# Altium PCB HTBBMSALL4G.PcbDoc (part 4 of 4)
Units mm, origin at the board's own origin, x right, y up, seen from the top; angles counter-clockwise.
Board outline 80.2 x 36.15 mm, 4 copper layers (Top Layer, SIG02, SIG03, Bottom Layer), stack 0.603 mm thick; 186 components, 121 nets, 547 pads, 871 vias.
Unrouted connection lines stored in the file: 10.
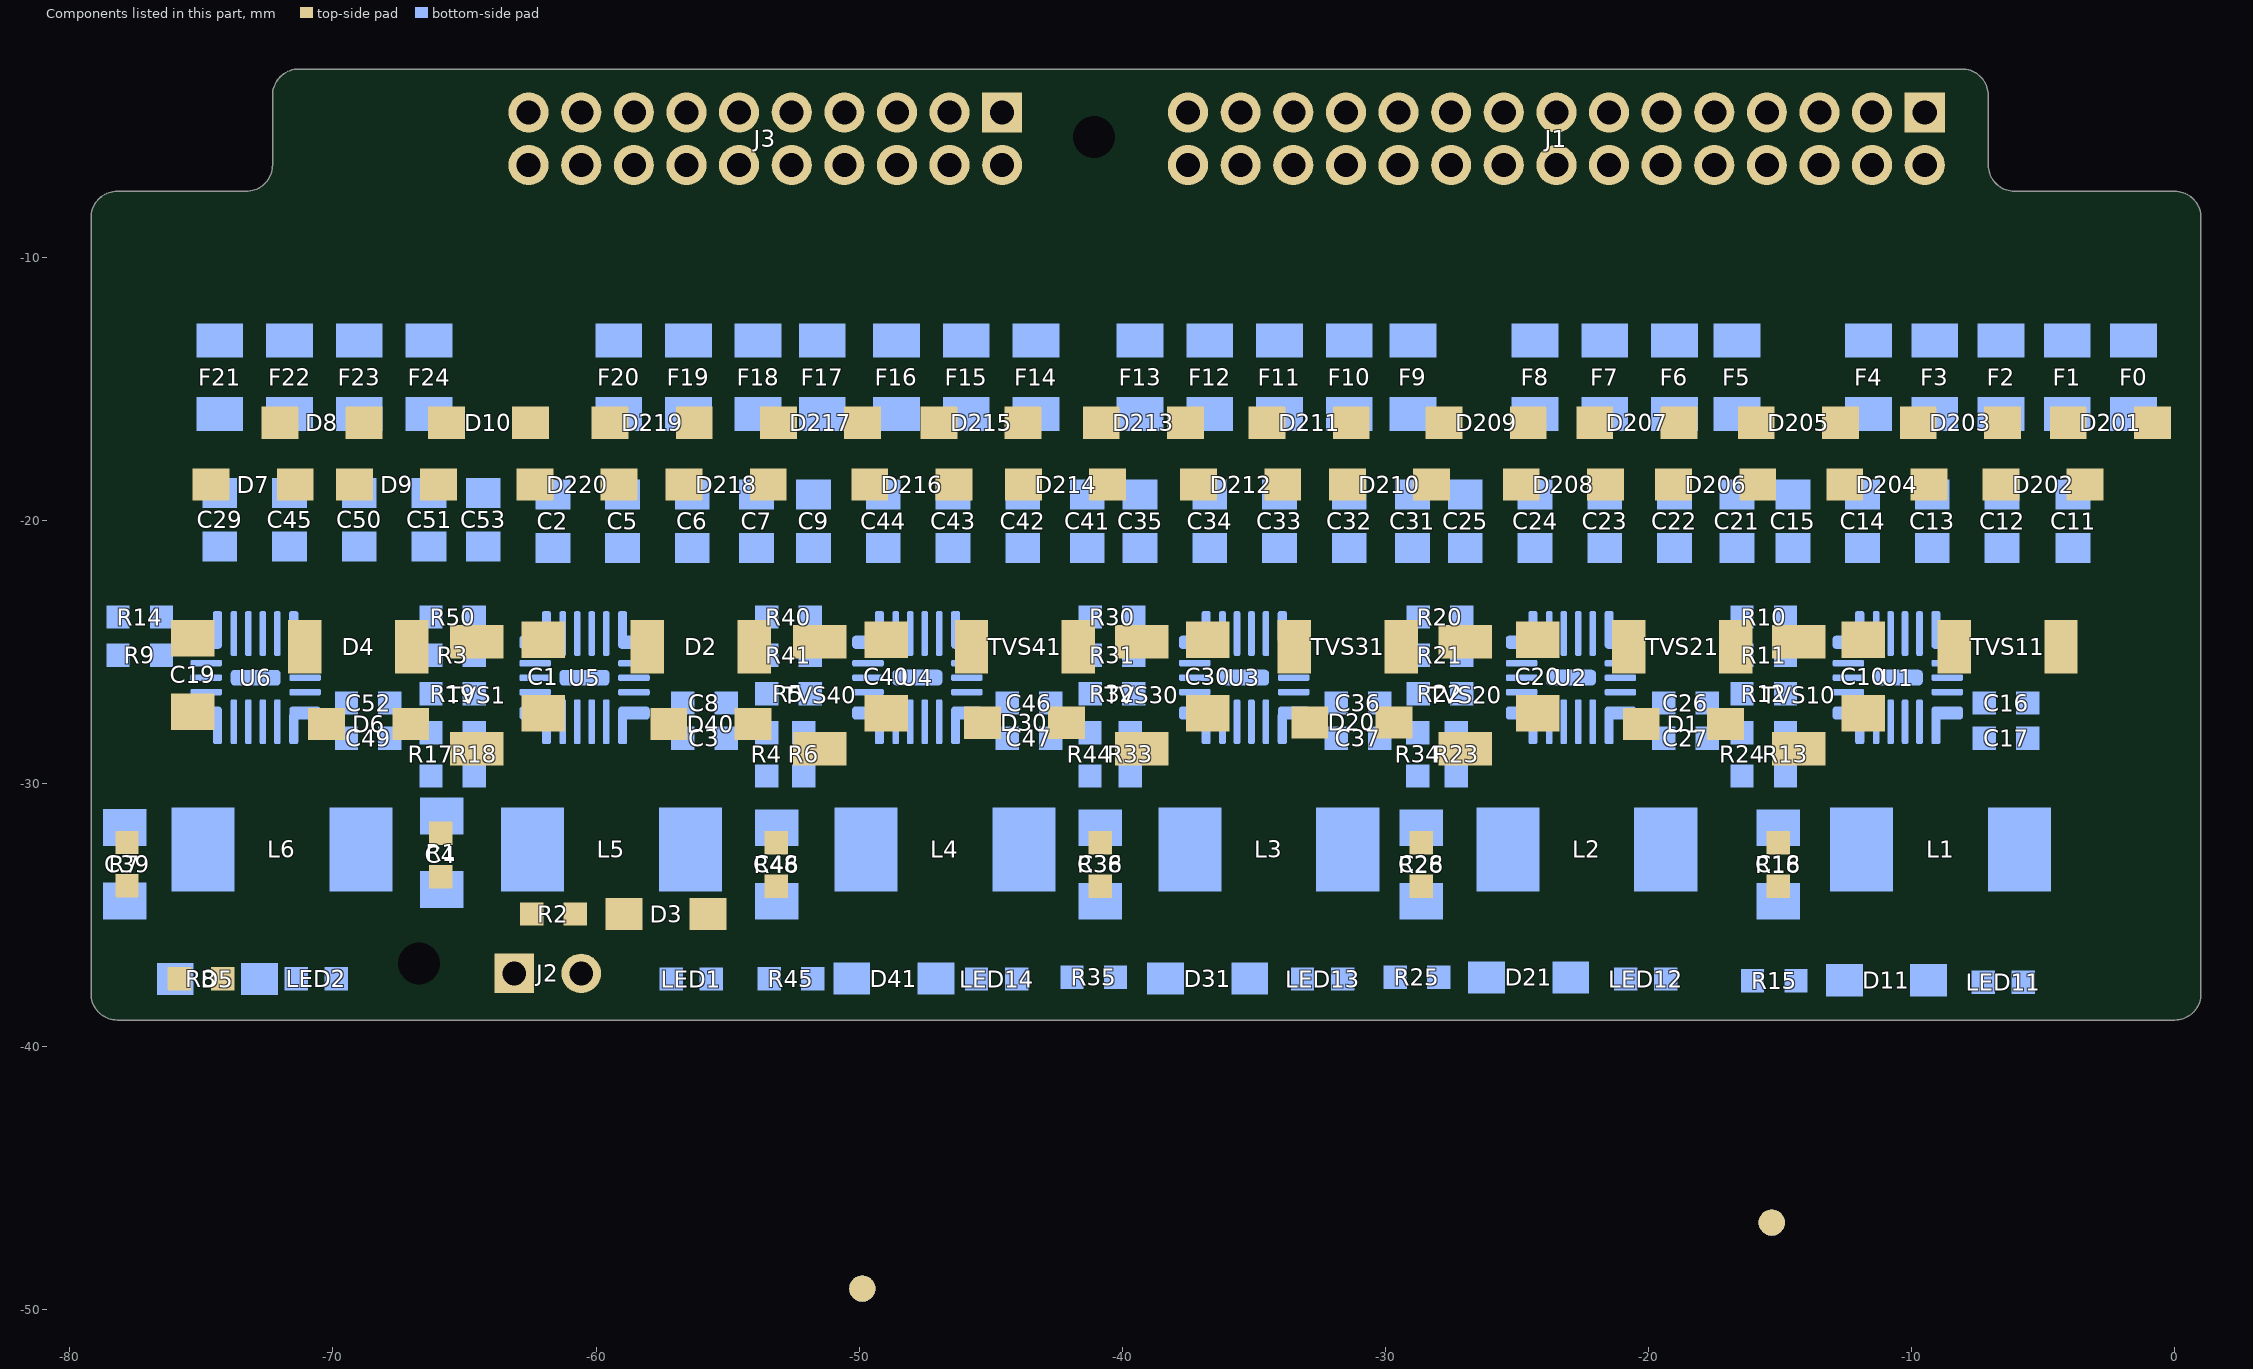
[diagram p6: the components of this part, seen from the top]

## Polygon pours and split planes (outlines as drawn) (continued)
N4 on Top Layer "NONET_L-01_P-001" (solid, remove dead copper, pour order 502): -14.144,-20.444 -13.301,-21.287 -13.301,-21.944 -12.775,-22.47 -11.633,-22.47 -11.217,-22.885 -11.217,-25.167 -11.445,-25.167 -11.535,-25.077 -11.535,-23.489 -11.853,-23.171 -14.325,-23.171 -15.148,-22.348 -15.148,-20.601 -14.991,-20.444
N3 on Top Layer "NONET_L-01_P-001" (solid, remove dead copper, pour order 501): -11.197,-20.444 -10.6,-21.041 -10.6,-25.078 -10.69,-25.167 -10.919,-25.167 -10.989,-25.097 -10.989,-22.875 -11.615,-22.248 -12.448,-22.248 -12.681,-22.015 -12.681,-20.762 -12.363,-20.444
N1 on Top Layer "NONET_L-01_P-001" (solid, remove dead copper, pour order 503): -6.621,-20.162 -8.073,-21.614 -8.073,-22.05 -8.492,-22.47 -9.414,-22.47 -9.83,-22.885 -9.83,-25.167 -9.602,-25.167 -9.512,-25.077 -9.512,-23.489 -9.194,-23.171 -7.172,-23.171 -5.465,-21.465 -5.465,-20.325 -5.628,-20.162
N2 on Top Layer "NONET_L-01_P-001" (solid, remove dead copper, pour order 500): -7.296,-18.282 -7.572,-18.559 -7.572,-19.059 -8.574,-20.06 -9.466,-20.06 -9.848,-20.441 -9.848,-21.922 -9.447,-21.521 -8.366,-21.521 -8.366,-21.354 -6.818,-19.806 -6.173,-19.806 -5.799,-19.432 -5.799,-18.432 -5.948,-18.282
N3 on Top Layer "NONET_L-01_P-001" (solid, remove dead copper, pour order 498): -9.946,-18.259 -10.222,-18.536 -10.222,-19.04 -11.22,-20.037 -12.116,-20.037 -12.681,-20.602 -12.681,-22.082 -12.097,-21.498 -10.651,-21.498 -10.651,-20.879 -9.555,-19.783 -8.823,-19.783 -8.449,-19.409 -8.449,-18.409 -8.598,-18.259
N2 on Top Layer "NONET_L-01_P-001" (solid, remove dead copper, pour order 497): -9.85,-20.444 -10.447,-21.041 -10.447,-25.078 -10.358,-25.167 -10.129,-25.167 -10.058,-25.097 -10.058,-22.875 -9.432,-22.248 -8.599,-22.248 -8.366,-22.015 -8.366,-20.762 -8.684,-20.444
N20 on SIG02 "NONET_L-01_P-001" (solid, remove dead copper, pour order 1010): 22 vertices, not listed, extent -78.909,-38.54 -60.748,-3.239
N12 on SIG02 "NONET_L-01_P-001" (solid, remove dead copper, pour order 1018): 23 vertices, not listed, extent -53.344,-38.54 -36.945,-3.239
GND on SIG02 "NONET_L-01_P-001" (solid, remove dead copper, pour order 1030): -14.04,-3.469 -8.412,-3.469 -7.709,-4.172 -7.709,-6.595 -6.493,-7.811 -0.575,-7.811 0.499,-8.885 0.499,-37.887 -0.403,-38.789 -14.89,-38.789 -16.324,-37.355 -16.324,-23.022 -14.286,-20.984 -14.286,-3.715
N4 on SIG02 "NONET_L-01_P-001" (solid, remove dead copper, pour order 1026): 20 vertices, not listed, extent -28.75,-38.54 -12.545,-3.469
N8 on SIG02 "NONET_L-01_P-001" (solid, remove dead copper, pour order 1022): 18 vertices, not listed, extent -41.439,-38.54 -25.004,-3.239
N16 on SIG02 "NONET_L-01_P-001" (solid, remove dead copper, pour order 1014): 24 vertices, not listed, extent -65.74,-38.54 -48.454,-3.239
Bt0 on SIG02 "NONET_L-01_P-001" (solid, remove dead copper, pour order 1006): 19 vertices, not listed, extent -10.333,-13.576 -0.539,-3.469
Bt1 on SIG02 "NONET_L-01_P-001" (solid, remove dead copper, pour order 1005): 18 vertices, not listed, extent -12.293,-13.701 -3.582,-3.639
Bt24 on SIG02 "NONET_L-01_P-001" (solid, remove dead copper, pour order 823): 17 vertices, not listed, extent -74.912,-13.746 -61.762,-3.469
Bt23 on SIG02 "NONET_L-01_P-001" (solid, remove dead copper, pour order 822): 17 vertices, not listed, extent -72.232,-13.746 -59.798,-3.469
Bt22 on SIG02 "NONET_L-01_P-001" (solid, remove dead copper, pour order 821): 18 vertices, not listed, extent -69.662,-13.746 -57.783,-3.469
Bt21 on SIG02 "NONET_L-01_P-001" (solid, remove dead copper, pour order 820): -57.018,-3.469 -57.339,-3.79 -57.339,-7.351 -62.481,-12.493 -66.892,-12.493 -67.128,-12.729 -67.128,-13.583 -66.965,-13.746 -61.913,-13.746 -55.79,-7.623 -55.79,-3.717 -56.038,-3.469
Bt20 on SIG02 "NONET_L-01_P-001" (solid, remove dead copper, pour order 819): -55.133,-3.469 -55.354,-3.69 -55.354,-7.698 -59.661,-12.005 -59.661,-13.42 -59.336,-13.746 -58.49,-13.746 -58.291,-13.547 -58.291,-12.243 -53.785,-7.738 -53.785,-3.65 -53.966,-3.469
Bt19 on SIG02 "NONET_L-01_P-001" (solid, remove dead copper, pour order 818): -53.181,-3.469 -53.344,-3.632 -53.344,-7.827 -56.979,-11.462 -56.979,-13.315 -56.548,-13.746 -55.962,-13.746 -55.715,-13.499 -55.715,-12.105 -51.773,-8.164 -51.773,-3.651 -51.956,-3.469
Bt18 on SIG02 "NONET_L-01_P-001" (solid, remove dead copper, pour order 817): -50.975,-3.469 -51.334,-3.828 -51.334,-8.212 -54.391,-11.269 -54.391,-13.548 -54.194,-13.746 -53.303,-13.746 -53.073,-13.516 -53.073,-11.718 -49.787,-8.433 -49.787,-3.791 -50.109,-3.469
Bt17 on SIG02 "NONET_L-01_P-001" (solid, remove dead copper, pour order 816): -49.063,-3.469 -49.358,-3.765 -49.358,-8.619 -52.029,-11.29 -52.029,-13.536 -51.82,-13.746 -50.911,-13.746 -50.66,-13.495 -50.66,-11.963 -47.783,-9.085 -47.783,-3.713 -48.027,-3.469
Bt16 on SIG02 "NONET_L-01_P-001" (solid, remove dead copper, pour order 815): -46.996,-3.469 -47.32,-3.793 -47.32,-9.177 -49.164,-11.021 -49.164,-13.512 -48.93,-13.746 -47.977,-13.746 -47.832,-13.601 -47.832,-11.778 -45.791,-9.736 -45.791,-3.751 -46.072,-3.469 -46.282,-3.469
Bt15 on SIG02 "NONET_L-01_P-001" (solid, remove dead copper, pour order 814): -45.058,-3.469 -45.386,-3.796 -45.386,-10.058 -46.451,-11.123 -46.451,-13.504 -46.209,-13.746 -45.373,-13.746 -45.108,-13.481 -45.108,-11.505 -43.757,-10.155 -43.757,-3.724 -44.012,-3.469
Bt14 on SIG02 "NONET_L-01_P-001" (solid, remove dead copper, pour order 813): -36.935,-3.469 -38.123,-3.469 -38.545,-3.891 -38.545,-7.229 -43.883,-12.567 -43.883,-13.632 -43.769,-13.746 -42.66,-13.746 -42.46,-13.546 -42.46,-12.889 -36.699,-7.128 -36.699,-3.705
Bt13 on SIG02 "NONET_L-01_P-001" (solid, remove dead copper, pour order 812): -36.142,-3.469 -36.269,-3.595 -36.269,-7.498 -39.861,-11.09 -39.861,-13.53 -39.645,-13.746 -38.85,-13.746 -38.563,-13.459 -38.563,-11.821 -34.692,-7.95 -34.692,-3.588 -34.81,-3.469 -35.064,-3.469
Bt12 on SIG02 "NONET_L-01_P-001" (solid, remove dead copper, pour order 811): -32.878,-3.469 -33.955,-3.469 -34.273,-3.787 -34.273,-7.959 -37.205,-10.891 -37.205,-13.543 -37.002,-13.746 -36.171,-13.746 -35.985,-13.56 -35.985,-11.552 -32.67,-8.238 -32.67,-3.677
Bt11 on SIG02 "NONET_L-01_P-001" (solid, remove dead copper, pour order 810): -31.996,-3.469 -32.254,-3.727 -32.254,-8.376 -34.586,-10.708 -34.586,-13.469 -34.309,-13.746 -33.506,-13.746 -33.29,-13.53 -33.29,-11.491 -30.628,-8.829 -30.628,-3.652 -30.812,-3.469 -31.089,-3.469
Bt10 on SIG02 "NONET_L-01_P-001" (solid, remove dead copper, pour order 809): -29.895,-3.469 -30.279,-3.853 -30.279,-9.242 -32.013,-10.975 -32.013,-13.37 -31.637,-13.746 -30.946,-13.746 -30.751,-13.552 -30.751,-11.536 -28.75,-9.535 -28.75,-3.673 -28.953,-3.469
Bt9 on SIG02 "NONET_L-01_P-001" (solid, remove dead copper, pour order 808): -26.988,-3.469 -27.95,-3.469 -28.291,-3.81 -28.291,-9.784 -29.545,-11.038 -29.545,-13.508 -29.307,-13.746 -28.335,-13.746 -28.244,-13.655 -28.244,-11.953 -26.71,-10.419 -26.71,-3.746
Bt8 on SIG02 "NONET_L-01_P-001" (solid, remove dead copper, pour order 807): -26.143,-3.469 -26.263,-3.59 -26.263,-12.302 -24.964,-13.601 -24.819,-13.746 -23.82,-13.746 -23.65,-13.576 -23.65,-12.827 -24.713,-11.764 -24.713,-3.593 -24.838,-3.469 -25.102,-3.469
Bt7 on SIG02 "NONET_L-01_P-001" (solid, remove dead copper, pour order 806): -22.897,-3.469 -24.016,-3.469 -24.299,-3.751 -24.299,-11.584 -22.318,-13.565 -22.136,-13.746 -21.166,-13.746 -21.056,-13.636 -21.056,-12.775 -22.664,-11.168 -22.664,-3.702
Bt6 on SIG02 "NONET_L-01_P-001" (solid, remove dead copper, pour order 805): -21.019,-3.469 -21.858,-3.469 -22.271,-3.882 -22.271,-10.668 -19.193,-13.746 -18.561,-13.746 -18.305,-13.49 -18.305,-12.68 -20.703,-10.282 -20.703,-3.784
Bt5 on SIG02 "NONET_L-01_P-001" (solid, remove dead copper, pour order 804): -18.916,-3.469 -19.891,-3.469 -20.26,-3.838 -20.26,-10.327 -17.423,-13.164 -17.423,-13.509 -17.186,-13.746 -15.959,-13.746 -15.844,-13.631 -15.844,-12.814 -18.668,-9.99 -18.668,-3.717
Bt4 on SIG02 "NONET_L-01_P-001" (solid, remove dead copper, pour order 803): -17.92,-3.469 -18.219,-3.768 -18.219,-9.593 -14.067,-13.746 -10.85,-13.746 -10.691,-13.587 -10.691,-12.872 -11.013,-12.549 -13.602,-12.549 -16.681,-9.47 -16.681,-3.816 -17.028,-3.469
Bt3 on SIG02 "NONET_L-01_P-001" (solid, remove dead copper, pour order 802): 17 vertices, not listed, extent -16.285,-13.746 -8.483,-3.469
Bt2 on SIG02 "NONET_L-01_P-001" (solid, remove dead copper, pour order 800): 17 vertices, not listed, extent -14.286,-13.746 -5.986,-3.469
NetC3_1 on SIG02 "NONET_L-01_P-001" (solid, remove dead copper, pour order 899): -61.536,-28.342 -63.011,-29.817 -63.011,-34.093 -62.971,-34.133 -60.802,-34.133 -60.565,-33.897 -60.565,-28.445 -60.669,-28.342
N12 on SIG02 "SIG02-N12" (solid, remove dead copper, pour order 995): 28 vertices, not listed, extent -40.779,-25.154 -35.403,-15.262
N17 on SIG02 "SIG02-N17" (solid, pour order 942): 27 vertices, not listed, extent -59.734,-25.156 -50.66,-15.255
N23 on SIG02 "SIG02-N23" (solid, remove dead copper, pour order 939): 22 vertices, not listed, extent -75.085,-25.156 -70.413,-15.25
N22 on SIG02 "SIG02-N22" (solid, remove dead copper, pour order 938): 24 vertices, not listed, extent -72.85,-25.156 -67.985,-15.25
N19 on SIG02 "SIG02-N19" (solid, remove dead copper, pour order 937): 22 vertices, not listed, extent -62.585,-25.156 -57.913,-15.25
N18 on SIG02 "SIG02-N18" (solid, remove dead copper, pour order 936): 24 vertices, not listed, extent -60.35,-25.156 -55.485,-15.25
N15 on SIG02 "SIG02-N15" (solid, remove dead copper, pour order 935): 22 vertices, not listed, extent -49.93,-25.154 -45.258,-15.249
N14 on SIG02 "SIG02-N14" (solid, remove dead copper, pour order 934): 24 vertices, not listed, extent -47.696,-25.154 -42.831,-15.249
N11 on SIG02 "SIG02-N11" (solid, remove dead copper, pour order 933): 22 vertices, not listed, extent -37.51,-25.154 -32.838,-15.249
N10 on SIG02 "SIG02-N10" (solid, remove dead copper, pour order 932): 24 vertices, not listed, extent -35.275,-25.154 -30.411,-15.249
N24 on SIG02 "NONET_L-01_P-001" (solid, pour order 923): -75.018,-15.263 -75.272,-15.517 -75.272,-19.131 -74.618,-19.785 -73.872,-19.785 -72.978,-18.891 -72.978,-15.405 -73.12,-15.263
N20 on SIG02 "NONET_L-01_P-001" (solid, pour order 922): -62.518,-15.263 -62.772,-15.517 -62.772,-19.131 -62.118,-19.785 -61.372,-19.785 -60.478,-18.891 -60.478,-15.405 -60.621,-15.263
N16 on SIG02 "NONET_L-01_P-001" (solid, pour order 921): -49.863,-15.262 -50.207,-15.605 -50.207,-19.446 -49.869,-19.783 -48.718,-19.783 -47.824,-18.889 -47.824,-15.404 -47.966,-15.262
N8 on SIG02 "NONET_L-01_P-001" (solid, pour order 919): -25.022,-15.262 -25.276,-15.516 -25.276,-19.13 -24.622,-19.783 -23.877,-19.783 -22.982,-18.889 -22.982,-15.404 -23.125,-15.262
N21 on SIG02 "NONET_L-01_P-001" (solid, remove dead copper, pour order 918): -67.149,-15.255 -67.455,-15.561 -67.455,-19.2 -68.304,-20.049 -68.939,-20.049 -68.939,-20.065 -70.15,-21.276 -69.575,-21.851 -69.575,-23.16 -65.157,-18.742 -65.157,-15.818 -65.72,-15.255
N13 on SIG02 "NONET_L-01_P-001" (solid, remove dead copper, pour order 890): -41.995,-15.254 -42.3,-15.56 -42.3,-19.199 -43.15,-20.048 -43.785,-20.048 -43.785,-20.064 -44.996,-21.275 -44.421,-21.849 -44.421,-23.159 -39.575,-18.313 -39.575,-15.716 -40.037,-15.254
N9 on SIG02 "NONET_L-01_P-001" (solid, remove dead copper, pour order 876): -29.574,-15.254 -29.88,-15.56 -29.88,-19.199 -30.729,-20.048 -31.364,-20.048 -31.364,-20.064 -32.575,-21.275 -32.001,-21.849 -32.001,-23.159 -26.71,-17.868 -26.71,-15.712 -27.168,-15.254
N5 on SIG02 "NONET_L-01_P-001" (solid, remove dead copper, pour order 862): -17.154,-15.254 -17.459,-15.56 -17.459,-19.199 -18.308,-20.048 -18.944,-20.048 -18.944,-20.064 -20.155,-21.275 -19.58,-21.849 -19.58,-23.159 -14.818,-18.397 -14.818,-15.482 -15.046,-15.254
N7 on SIG02 "NONET_L-01_P-001" (solid, pour order 861): -20.591,-15.249 -22.419,-15.249 -22.63,-15.461 -22.63,-18.524 -22.478,-18.524 -21.231,-19.771 -20.417,-18.957 -20.417,-15.423
N6 on SIG02 "NONET_L-01_P-001" (solid, pour order 860): -19.98,-18.547 -19.98,-15.446 -19.783,-15.249 -18.244,-15.249 -17.99,-15.503 -17.99,-19.203 -18.581,-19.794
N1 on SIG02 "NONET_L-01_P-001" (solid, remove dead copper, pour order 523): -4.746,-15.267 -5.051,-15.572 -5.051,-19.211 -5.9,-20.06 -6.536,-20.06 -6.536,-20.076 -7.746,-21.287 -7.172,-21.862 -7.172,-23.171 -3.151,-19.151 -3.151,-15.432 -3.316,-15.267
N4 on SIG02 "NONET_L-01_P-001" (solid, remove dead copper, pour order 522): -12.618,-15.262 -12.872,-15.516 -12.872,-19.13 -12.218,-19.783 -11.473,-19.783 -10.579,-18.889 -10.579,-15.404 -10.721,-15.262
N3 on SIG02 "NONET_L-01_P-001" (solid, remove dead copper, pour order 521): -8.183,-15.262 -10.01,-15.262 -10.222,-15.473 -10.222,-18.536 -10.07,-18.536 -8.823,-19.783 -8.009,-18.97 -8.009,-15.435
N2 on SIG02 "NONET_L-01_P-001" (solid, remove dead copper, pour order 520): -7.572,-18.559 -7.572,-15.459 -7.375,-15.262 -5.836,-15.262 -5.582,-15.516 -5.582,-19.215 -6.173,-19.806
N16 on SIG02 "NONET_L-01_P-001" (solid, remove dead copper, pour order 994): -51.125,-23.159 -52.752,-23.159 -52.863,-23.048 -51.626,-21.812 -51.334,-21.812 -51.334,-22.499 -50.9,-22.934
N8 on SIG02 "NONET_L-01_P-001" (solid, remove dead copper, pour order 989): -26.283,-23.159 -29.569,-23.159 -29.574,-23.153 -27.95,-21.529 -27.95,-21.389 -27.129,-21.389 -26.283,-22.234
N4 on SIG02 "NONET_L-01_P-001" (solid, remove dead copper, pour order 488): -12.596,-18.259 -12.872,-18.536 -14.374,-20.037 -14.766,-20.037 -15.148,-20.419 -15.148,-21.899 -14.747,-21.498 -13.301,-21.498 -13.301,-20.866 -12.218,-19.783 -11.473,-19.783 -11.099,-19.409 -11.099,-18.409 -11.248,-18.259
N24 on SIG02 "NONET_L-01_P-001" (solid, pour order 914): -72.369,-28.759 -72.7,-28.759 -72.871,-28.929 -72.871,-30.286 -72.72,-30.437 -72.404,-30.437 -72.254,-30.287 -72.254,-28.874
NetC49_1 on SIG02 "NONET_L-01_P-001" (solid, remove dead copper, pour order 913): -74.036,-28.342 -75.511,-29.817 -75.511,-34.093 -75.471,-34.133 -73.302,-34.133 -73.065,-33.897 -73.065,-28.445 -73.169,-28.342
NetL6_1 on SIG02 "NONET_L-01_P-001" (solid, pour order 912): 20 vertices, not listed, extent -74.122,-34.516 -67.074,-25.624
N21 on SIG02 "NONET_L-01_P-001" (solid, remove dead copper, pour order 911): -69.307,-20.433 -70.15,-21.276 -70.15,-21.933 -70.675,-22.458 -71.818,-22.458 -72.234,-22.874 -72.234,-25.156 -72.005,-25.156 -71.916,-25.066 -71.916,-23.478 -71.598,-23.16 -69.575,-23.16 -68.303,-21.888 -68.303,-20.59 -68.46,-20.433
N24 on SIG02 "NONET_L-01_P-001" (solid, remove dead copper, pour order 906): -76.547,-20.433 -75.704,-21.276 -75.704,-21.933 -75.179,-22.458 -74.037,-22.458 -73.621,-22.874 -73.621,-25.156 -73.849,-25.156 -73.939,-25.066 -73.939,-23.478 -74.257,-23.16 -76.279,-23.16 -77.551,-21.888 -77.551,-20.59 -77.394,-20.433
N24 on SIG02 "NONET_L-01_P-001" (solid, remove dead copper, pour order 905): -74.999,-18.248 -75.276,-18.525 -75.276,-19.056 -76.246,-20.026 -77.17,-20.026 -77.551,-20.407 -77.551,-21.888 -77.15,-21.487 -75.704,-21.487 -75.704,-20.855 -74.622,-19.772 -73.876,-19.772 -73.502,-19.398 -73.502,-18.398 -73.652,-18.248
N21 on SIG02 "NONET_L-01_P-001" (solid, pour order 900): -59.869,-28.759 -60.2,-28.759 -60.371,-28.929 -60.371,-30.286 -60.22,-30.437 -59.904,-30.437 -59.754,-30.287 -59.754,-28.874
NetL5_1 on SIG02 "NONET_L-01_P-001" (solid, pour order 898): 20 vertices, not listed, extent -61.622,-34.516 -54.574,-25.624
N20 on SIG02 "NONET_L-01_P-001" (solid, remove dead copper, pour order 892): -64.047,-20.433 -63.204,-21.276 -63.204,-21.933 -62.679,-22.458 -61.537,-22.458 -61.121,-22.874 -61.121,-25.156 -61.349,-25.156 -61.439,-25.066 -61.439,-23.478 -61.757,-23.16 -63.779,-23.16 -65.051,-21.888 -65.051,-20.59 -64.894,-20.433
N20 on SIG02 "NONET_L-01_P-001" (solid, remove dead copper, pour order 891): -62.499,-18.248 -62.776,-18.525 -62.776,-19.056 -63.746,-20.026 -64.67,-20.026 -65.051,-20.407 -65.051,-21.888 -64.65,-21.487 -63.204,-21.487 -63.204,-20.855 -62.122,-19.772 -61.376,-19.772 -61.002,-19.398 -61.002,-18.398 -61.152,-18.248
N17 on SIG02 "NONET_L-01_P-001" (solid, pour order 886): -47.215,-28.757 -47.546,-28.757 -47.716,-28.928 -47.716,-30.285 -47.566,-30.436 -47.25,-30.436 -47.1,-30.286 -47.1,-28.873
NetC47_1 on SIG02 "NONET_L-01_P-001" (solid, remove dead copper, pour order 885): -48.882,-28.34 -50.357,-29.816 -50.357,-34.091 -50.317,-34.132 -48.148,-34.132 -47.911,-33.895 -47.911,-28.444 -48.015,-28.34
NetL4_1 on SIG02 "NONET_L-01_P-001" (solid, pour order 884): 20 vertices, not listed, extent -48.968,-34.515 -41.919,-25.622
N13 on SIG02 "NONET_L-01_P-001" (solid, remove dead copper, pour order 883): -44.153,-20.432 -44.996,-21.275 -44.996,-21.932 -45.521,-22.457 -46.664,-22.457 -47.079,-22.873 -47.079,-25.154 -46.851,-25.154 -46.761,-25.065 -46.761,-23.477 -46.443,-23.159 -44.421,-23.159 -43.149,-21.886 -43.149,-20.589 -43.306,-20.432
N16 on SIG02 "NONET_L-01_P-001" (solid, remove dead copper, pour order 878): -51.393,-20.432 -50.55,-21.275 -50.55,-21.932 -50.025,-22.457 -48.882,-22.457 -48.466,-22.873 -48.466,-25.154 -48.695,-25.154 -48.784,-25.065 -48.784,-23.477 -49.102,-23.159 -51.125,-23.159 -52.397,-21.886 -52.397,-20.589 -52.24,-20.432
N16 on SIG02 "NONET_L-01_P-001" (solid, remove dead copper, pour order 877): -49.845,-18.247 -50.122,-18.524 -50.122,-19.054 -51.092,-20.025 -52.016,-20.025 -52.397,-20.406 -52.397,-21.886 -51.996,-21.485 -50.55,-21.485 -50.55,-20.853 -49.468,-19.771 -48.722,-19.771 -48.348,-19.397 -48.348,-18.396 -48.497,-18.247
N13 on SIG02 "NONET_L-01_P-001" (solid, pour order 872): -34.795,-28.757 -35.125,-28.757 -35.296,-28.928 -35.296,-30.285 -35.145,-30.436 -34.829,-30.436 -34.679,-30.286 -34.679,-28.873
NetC37_1 on SIG02 "NONET_L-01_P-001" (solid, remove dead copper, pour order 871): -36.461,-28.34 -37.937,-29.816 -37.937,-34.091 -37.896,-34.132 -35.727,-34.132 -35.491,-33.895 -35.491,-28.444 -35.594,-28.34
NetL3_1 on SIG02 "NONET_L-01_P-001" (solid, pour order 870): 20 vertices, not listed, extent -36.548,-34.515 -29.499,-25.622
N9 on SIG02 "NONET_L-01_P-001" (solid, remove dead copper, pour order 869): -31.732,-20.432 -32.575,-21.275 -32.575,-21.932 -33.101,-22.457 -34.243,-22.457 -34.659,-22.873 -34.659,-25.154 -34.43,-25.154 -34.341,-25.065 -34.341,-23.477 -34.023,-23.159 -32.001,-23.159 -30.728,-21.886 -30.728,-20.589 -30.885,-20.432
N9 on SIG02 "NONET_L-01_P-001" (solid, pour order 858): -22.374,-28.757 -22.705,-28.757 -22.875,-28.928 -22.875,-30.285 -22.725,-30.436 -22.409,-30.436 -22.259,-30.286 -22.259,-28.873
NetC27_1 on SIG02 "NONET_L-01_P-001" (solid, remove dead copper, pour order 857): -24.041,-28.34 -25.516,-29.816 -25.516,-34.091 -25.475,-34.132 -23.307,-34.132 -23.07,-33.895 -23.07,-28.444 -23.173,-28.34
NetL2_1 on SIG02 "NONET_L-01_P-001" (solid, pour order 856): 20 vertices, not listed, extent -24.127,-34.515 -17.078,-25.622
N5 on SIG02 "NONET_L-01_P-001" (solid, remove dead copper, pour order 855): -19.312,-20.432 -20.155,-21.275 -20.155,-21.932 -20.68,-22.457 -21.822,-22.457 -22.238,-22.873 -22.238,-25.154 -22.01,-25.154 -21.92,-25.065 -21.92,-23.477 -21.602,-23.159 -19.58,-23.159 -18.308,-21.886 -18.308,-20.589 -18.465,-20.432
N6 on SIG02 "NONET_L-01_P-001" (solid, remove dead copper, pour order 854): -19.704,-18.27 -19.98,-18.547 -19.98,-19.046 -20.982,-20.048 -21.875,-20.048 -22.256,-20.429 -22.256,-21.909 -21.855,-21.508 -20.774,-21.508 -20.774,-21.342 -19.226,-19.794 -18.581,-19.794 -18.207,-19.42 -18.207,-18.419 -18.356,-18.27
N6 on SIG02 "NONET_L-01_P-001" (solid, remove dead copper, pour order 853): -22.259,-20.432 -22.855,-21.028 -22.855,-25.065 -22.766,-25.154 -22.537,-25.154 -22.466,-25.084 -22.466,-22.862 -21.84,-22.236 -21.008,-22.236 -20.774,-22.003 -20.774,-20.749 -21.092,-20.432
N7 on SIG02 "NONET_L-01_P-001" (solid, remove dead copper, pour order 852): -23.605,-20.432 -23.008,-21.028 -23.008,-25.065 -23.098,-25.154 -23.327,-25.154 -23.397,-25.084 -23.397,-22.862 -24.023,-22.236 -24.856,-22.236 -25.089,-22.003 -25.089,-20.749 -24.771,-20.432
N7 on SIG02 "NONET_L-01_P-001" (solid, remove dead copper, pour order 851): -22.354,-18.247 -22.63,-18.524 -22.63,-19.027 -23.628,-20.025 -24.525,-20.025 -25.089,-20.589 -25.089,-22.07 -24.505,-21.485 -23.008,-21.485 -23.008,-20.817 -21.963,-19.771 -21.231,-19.771 -20.857,-19.397 -20.857,-18.396 -21.006,-18.247
N8 on SIG02 "NONET_L-01_P-001" (solid, remove dead copper, pour order 850): -26.552,-20.432 -25.709,-21.275 -25.709,-21.932 -25.183,-22.457 -24.041,-22.457 -23.625,-22.873 -23.625,-25.154 -23.854,-25.154 -23.943,-25.065 -23.943,-23.477 -24.261,-23.159 -26.283,-23.159 -27.556,-21.886 -27.556,-20.589 -27.399,-20.432
N8 on SIG02 "NONET_L-01_P-001" (solid, remove dead copper, pour order 849): -25.004,-18.247 -25.28,-18.524 -25.28,-19.054 -26.251,-20.025 -27.175,-20.025 -27.556,-20.406 -27.556,-21.886 -27.155,-21.485 -25.709,-21.485 -25.709,-20.853 -24.627,-19.771 -23.881,-19.771 -23.507,-19.397 -23.507,-18.396 -23.656,-18.247
N5 on SIG02 "NONET_L-01_P-001" (solid, pour order 509): -9.966,-28.77 -10.296,-28.77 -10.467,-28.941 -10.467,-30.297 -10.316,-30.448 -10,-30.448 -9.85,-30.298 -9.85,-28.885
NetC17_1 on SIG02 "NONET_L-01_P-001" (solid, remove dead copper, pour order 507): -11.633,-28.353 -13.108,-29.828 -13.108,-34.104 -13.067,-34.145 -10.899,-34.145 -10.662,-33.908 -10.662,-28.456 -10.765,-28.353
NetL1_1 on SIG02 "NONET_L-01_P-001" (solid, pour order 506): 20 vertices, not listed, extent -11.719,-34.527 -4.67,-25.635
N1 on SIG02 "NONET_L-01_P-001" (solid, remove dead copper, pour order 496): -6.904,-20.444 -7.746,-21.287 -7.746,-21.944 -8.272,-22.47 -9.414,-22.47 -9.83,-22.885 -9.83,-25.167 -9.602,-25.167 -9.512,-25.077 -9.512,-23.489 -9.194,-23.171 -7.172,-23.171 -5.9,-21.899 -5.9,-20.601 -6.057,-20.444
N2 on SIG02 "NONET_L-01_P-001" (solid, remove dead copper, pour order 495): -7.296,-18.282 -7.572,-18.559 -7.572,-19.059 -8.574,-20.06 -9.466,-20.06 -9.848,-20.441 -9.848,-21.922 -9.447,-21.521 -8.366,-21.521 -8.366,-21.354 -6.818,-19.806 -6.173,-19.806 -5.799,-19.432 -5.799,-18.432 -5.948,-18.282
N2 on SIG02 "NONET_L-01_P-001" (solid, remove dead copper, pour order 494): -9.85,-20.444 -10.447,-21.041 -10.447,-25.078 -10.358,-25.167 -10.129,-25.167 -10.058,-25.097 -10.058,-22.875 -9.432,-22.248 -8.599,-22.248 -8.366,-22.015 -8.366,-20.762 -8.684,-20.444
N3 on SIG02 "NONET_L-01_P-001" (solid, remove dead copper, pour order 493): -11.197,-20.444 -10.6,-21.041 -10.6,-25.078 -10.69,-25.167 -10.919,-25.167 -10.989,-25.097 -10.989,-22.875 -11.615,-22.248 -12.448,-22.248 -12.681,-22.015 -12.681,-20.762 -12.363,-20.444
N3 on SIG02 "NONET_L-01_P-001" (solid, remove dead copper, pour order 492): -9.946,-18.259 -10.222,-18.536 -10.222,-19.04 -11.22,-20.037 -12.116,-20.037 -12.681,-20.602 -12.681,-22.082 -12.097,-21.498 -10.6,-21.498 -10.6,-20.829 -9.555,-19.783 -8.823,-19.783 -8.449,-19.409 -8.449,-18.409 -8.598,-18.259
N4 on SIG02 "NONET_L-01_P-001" (solid, remove dead copper, pour order 489): -14.144,-20.444 -13.301,-21.287 -13.301,-21.944 -12.775,-22.47 -11.633,-22.47 -11.217,-22.885 -11.217,-25.167 -11.445,-25.167 -11.535,-25.077 -11.535,-23.489 -11.853,-23.171 -13.875,-23.171 -15.148,-21.899 -15.148,-20.601 -14.991,-20.444
N20 on SIG03 "NONET_L-01_P-001" (solid, remove dead copper, pour order 1011): 21 vertices, not listed, extent -78.947,-38.565 -60.584,-3.228
GND on SIG03 "NONET_L-01_P-001" (solid, remove dead copper, pour order 1031): -16.118,-3.497 -8.425,-3.497 -7.769,-4.153 -7.802,-4.186 -7.802,-6.631 -6.624,-7.809 -0.525,-7.809 0.531,-8.865 0.531,-37.946 -0.238,-38.715 -15.154,-38.715 -16.564,-37.305 -16.564,-3.943
N4 on SIG03 "NONET_L-01_P-001" (solid, remove dead copper, pour order 1027): -26.801,-3.363 -17.955,-3.363 -16.813,-4.505 -16.813,-37.373 -17.943,-38.503 -27.676,-38.503 -28.574,-37.605 -28.574,-22.423 -27.227,-21.077 -27.227,-3.789
N8 on SIG03 "NONET_L-01_P-001" (solid, remove dead copper, pour order 1023): -38.149,-3.497 -27.929,-3.497 -27.608,-3.818 -27.608,-21.13 -28.953,-22.475 -28.953,-37.168 -30.288,-38.503 -39.711,-38.503 -40.867,-37.347 -40.867,-24.115 -37.802,-21.05 -37.802,-14.991 -38.404,-14.389 -38.404,-3.752
N12 on SIG03 "NONET_L-01_P-001" (solid, remove dead copper, pour order 1019): 21 vertices, not listed, extent -53.046,-38.658 -38.149,-3.228
N16 on SIG03 "NONET_L-01_P-001" (solid, remove dead copper, pour order 1016): 29 vertices, not listed, extent -65.794,-38.503 -48.533,-3.228
N16 on SIG03 "NONET_L-01_P-001" (solid, remove dead copper, pour order 729): -48.221,-23.309 -48.975,-22.554 -50.759,-22.554 -51.009,-22.804 -51.009,-23.179 -50.849,-23.339 -49.115,-23.339 -48.463,-23.992 -45.498,-23.992 -44.977,-24.513 -44.635,-24.513 -44.564,-24.442 -44.564,-23.732 -44.987,-23.309
N12 on SIG03 "NONET_L-01_P-001" (solid, remove dead copper, pour order 727): -35.54,-23.375 -36.361,-22.554 -38.436,-22.554 -38.561,-22.679 -38.561,-23.056 -38.501,-23.116 -37.024,-23.116 -35.699,-24.442 -32.835,-24.442 -32.333,-24.442 -32.229,-24.337 -32.229,-23.646 -32.5,-23.375
N4 on SIG03 "NONET_L-01_P-001" (solid, remove dead copper, pour order 740): -10.699,-23.314 -11.579,-22.434 -13.499,-22.434 -13.742,-22.678 -13.742,-22.992 -13.618,-23.116 -11.759,-23.116 -10.984,-23.891 -8.666,-23.891 -7.727,-24.83 -5.963,-24.83 -5.575,-24.442 -5.575,-23.681 -5.942,-23.314
N24 on SIG03 "NONET_L-01_P-001" (solid, remove dead copper, pour order 734): -69.961,-23.301 -73.045,-23.301 -73.792,-22.554 -76.028,-22.554 -76.15,-22.676 -76.15,-23.083 -75.998,-23.235 -73.977,-23.235 -73.221,-23.992 -70.782,-23.992 -70.782,-23.999 -70.257,-24.524 -69.886,-24.524 -69.765,-24.402 -69.765,-23.498
N20 on SIG03 "NONET_L-01_P-001" (solid, remove dead copper, pour order 731): -57.306,-23.291 -60.745,-23.291 -61.482,-22.554 -63.535,-22.554 -63.608,-22.628 -63.608,-23.103 -63.476,-23.235 -61.79,-23.235 -61.034,-23.992 -57.949,-23.992 -57.334,-24.607 -57.135,-24.607 -56.971,-24.442 -56.971,-23.626
N8 on SIG03 "NONET_L-01_P-001" (solid, remove dead copper, pour order 725): -23.479,-24.442 -24.581,-23.339 -25.896,-23.339 -26.127,-23.108 -26.127,-22.674 -25.888,-22.434 -24.223,-22.434 -23.801,-22.857 -23.283,-23.375 -19.772,-23.375 -19.5,-23.647 -19.5,-24.233 -19.709,-24.442

## Keep-outs
Keep-Out Layer:
  the board outline again, w0.1

## Other copper
Bottom Layer:
  pour cut-out: -44.904,-11.59 -44.229,-11.59 -44.229,-12.523 -44.904,-12.523

## Silkscreen, mask and mechanical layers (free items; w line width, h text height)
Top Overlay:
  circle w0.254: c-66.731,-36.855 r2
  circle w0.254: c-41.07,-5.441 r2
  lines w0.1: -79.197,-38 ccw(c-78.197,-38) -78.197,-39 0,-39 ccw(c0,-38) 1,-38 1,-8.5 ccw(c-0.002,-8.5) -0.002,-7.498 -6.083,-7.498 cw(c-6.083,-6.496) -7.085,-6.496 -7.085,-3.851 ccw(c-8.085,-3.851) -8.085,-2.851 -71.296,-2.851 ccw(c-71.296,-3.851) -72.296,-3.851 -72.296,-6.496 cw(c-73.298,-6.496) -73.298,-7.498 -78.195,-7.498 ccw(c-78.195,-8.5) -79.197,-8.5 -79.197,-38
  text "B24" at -63.953,-8.718 h1.6
  text "B14" at -39.07,-8.718 h1.6
  text "B0" at -9.901,-8.718 h1.6
  text "B15" at -45.369,-8.83 h1.6
  text "HTBBMSALL4G" at -45.86,-11.048 h1.52
  text "20260323" at -42.602,-11.968 h1.2
  text "-" at -10.59,-15.442 h1.52
  text "-" at -4.877,-15.442 h1.52
  text "-" at -47.69,-15.474 h1.52
  text "-" at -35.158,-15.464 h1.52
  text "-" at -28.51,-15.453 h1.52
  text "-" at -16.554,-15.453 h1.52
  text "-" at -66.22,-15.496 h1.52
  text "-" at -60.106,-15.496 h1.52
  text "-" at -53.79,-15.485 h1.52
  text "-" at -41.46,-15.496 h1.52
  text "-" at -22.849,-15.496 h1.52
  text "-" at -72.59,-15.506 h1.52
  text "-" at -74.83,-19.277 h1.52 r180
  text "-" at -50.715,-20.8 h1.52
  text "-" at -44.898,-20.789 h1.52
  text "-" at -8.075,-20.8 h1.52
  text "-" at -63.336,-20.822 h1.52
  text "-" at -57.806,-20.811 h1.52
  text "-" at -38.471,-20.822 h1.52
  text "-" at -13.973,-20.811 h1.52
  text "-" at -69.751,-20.841 h1.52
  text "-" at -32.63,-20.841 h1.52
  text "-" at -25.857,-20.841 h1.52
  text "-" at -20.25,-20.841 h1.52
  text "-" at -30.188,-29.798 h1.52
  text "-" at -54.505,-29.873 h1.52
  text "-" at -42.524,-29.875 h1.52
  text "-" at -17.556,-29.873 h1.52
  text "-" at -67.43,-29.937 h1.52
  text "-" at -59.352,-34.424 h1.52
Bottom Overlay:
  text "B24" at -64.844,-6.718 h1.6 r270
  text "B15" at -43.293,-6.718 h1.6 r270
  text "B14" at -39.571,-6.718 h1.6 r270
  text "B0" at -8.465,-6.718 h1.6 r270
  text "HTBBMSALL4G" at -36.269,-8.857 h1.52
  text "20260323" at -38.926,-10.122 h1.2
  text "1" at -74.774,-23.36 h1 r270
  text "1" at -62.225,-23.36 h1 r270
  text "1" at -49.531,-23.359 h1 r270
  text "1" at -37.138,-23.359 h1 r270
  text "1" at -24.694,-23.359 h1 r270
  text "1" at -12.291,-23.359 h1 r270
  text "START" at -1.326,-24.204 h1.6 r270
  text "CONRTL" at -2.822,-33.043 h1.6 r270
  text "-" at -73.09,-39.357 h1.52
  text "-" at -47.476,-39.357 h1.52
  text "-" at -35.595,-39.357 h1.52
  text "-" at -23.402,-39.357 h1.52
  text "-" at -9.849,-39.357 h1.52
Bottom Paste:
  lines w0.3: -62.356,-22.951 -61.719,-22.951 -61.234,-23.436 ; -60.71,-28.932 -60.71,-28.16 ; -60.71,-23.888 -60.71,-22.933 -60.71,-22.633 ; -60.161,-29.455 -60.161,-27.988 ; -60.154,-23.888 -60.154,-22.516 ; -59.6,-28.848 -59.6,-28.745 -59.6,-27.134 ; -59.6,-24.02 -59.6,-23.322 -59.283,-23.004 -58.521,-23.004 ; -49.744,-23.004 -49.019,-23.004 -48.562,-23.461 ; -48.054,-29.058 -48.054,-28.16 ; -48.054,-23.888 -48.054,-22.875 -48.054,-22.666 ; -47.513,-29.266 -47.513,-27.637 ; -47.513,-24.02 -47.513,-22.577 ; -46.959,-27.896 -46.959,-28.719 -46.734,-28.944 ; -46.959,-23.888 -46.959,-23.286 -46.677,-23.004 -45.905,-23.004 ; -37.567,-22.951 -36.512,-22.951 -36.227,-23.235 ; -36.21,-23.888 -36.21,-23.253 ; -35.837,-29.066 -35.658,-28.888 -35.658,-28.19 ; -35.631,-23.888 -35.631,-23.004 -35.631,-22.72 ; -35.092,-23.888 -35.092,-22.951 -35.092,-22.674 ; -35.06,-29.298 -35.06,-27.896 ; -34.536,-27.896 -34.536,-28.773 -34.404,-28.905 ; -34.536,-23.235 -34.241,-22.941 -33.459,-22.941 ; -25.163,-23.004 -24.028,-23.004 -23.797,-23.235 -23.797,-23.888 ; -23.616,-22.374 -23.22,-22.77 -23.22,-22.857 -23.22,-24.309 ; -23.479,-29.162 -23.22,-28.903 -23.22,-27.637 ; -22.666,-23.888 -22.666,-22.951 -22.666,-22.72 -22.382,-22.435 ; -22.123,-23.38 -21.6,-22.857 -21.234,-22.857 ; -22.09,-27.637 -22.09,-28.773 -21.903,-28.949 ; -13.06,-23.057 -11.785,-23.057 -11.689,-23.057 -11.366,-23.38 ; -12.196,-22.351 -11.712,-22.351 -11.65,-22.351 -11.58,-22.351 -10.81,-23.122 -10.81,-23.38 -10.81,-23.888 ; -10.927,-28.949 -10.81,-28.831 -10.81,-28.19 ; -10.81,-22.113 -10.81,-22.156 -10.238,-22.728 -10.238,-24.24 ; -10.274,-28.857 -10.274,-27.637 ; -9.707,-27.637 -9.707,-28.7 -9.504,-28.903 ; -9.664,-24.462 -9.664,-22.511 -9.504,-22.351
Bottom Solder:
  lines w0.3: -74.52,-29.278 -73.768,-28.527 -73.768,-27.906 ; -62.042,-29.273 -61.29,-28.522 -61.29,-27.901 ; -49.376,-29.273 -48.624,-28.522 -48.624,-27.901 ; -48.562,-24.317 -48.562,-23.461 ; -36.942,-29.352 -36.19,-28.601 -36.19,-27.98 ; -24.544,-29.268 -23.792,-28.517 -23.792,-27.896 ; -22.123,-24.134 -22.123,-23.38 ; -12.102,-29.268 -11.35,-28.517 -11.35,-27.896
  lines w0.4: -75.831,-22.77 -74.233,-22.77 ; -74.102,-22.77 -73.768,-23.103 -73.768,-24.033 ; -74.007,-21.83 -73.224,-22.613 ; -73.425,-29.076 -73.22,-28.871 -73.22,-27.568 ; -73.228,-24.084 -73.22,-22.623 ; -72.676,-29.169 -72.676,-27.563 ; -72.676,-24.15 -72.676,-22.669 ; -72.455,-22.383 -71.901,-21.83 ; -72.123,-27.568 -72.123,-28.698 -71.491,-29.33 ; -72.118,-24.029 -72.118,-23.264 -71.732,-22.877 ; -71.732,-22.806 -70.116,-22.806 ; -63.353,-22.77 -61.755,-22.77 ; -61.624,-22.77 -61.29,-23.103 -61.29,-24.033 ; -61.529,-21.83 -60.746,-22.613 ; -60.947,-29.071 -60.742,-28.866 -60.742,-27.563 ; -60.75,-24.084 -60.742,-22.623 ; -60.198,-29.164 -60.198,-27.558 ; -60.198,-24.15 -60.198,-22.669 ; -59.977,-22.383 -59.423,-21.83 ; -59.645,-27.563 -59.645,-28.693 -59.013,-29.325 ; -59.64,-24.029 -59.64,-23.264 -59.254,-22.877 ; -59.254,-22.806 -57.638,-22.806 ; -50.687,-22.77 -49.089,-22.77 ; -48.958,-22.77 -48.624,-23.103 -48.624,-24.033 ; -48.863,-21.83 -48.08,-22.613 ; -48.281,-29.071 -48.076,-28.866 -48.076,-27.563 ; -48.084,-24.084 -48.076,-22.623 ; -47.532,-29.164 -47.532,-27.558 ; -47.532,-24.15 -47.532,-22.669 ; -47.311,-22.383 -46.757,-21.83 ; -46.979,-27.563 -46.979,-28.693 -46.347,-29.325 ; -46.974,-24.029 -46.974,-23.264 -46.588,-22.877 ; -46.588,-22.806 -44.972,-22.806 ; -38.253,-22.711 -36.655,-22.711 ; -36.524,-22.711 -36.19,-23.044 -36.19,-23.974 ; -36.429,-21.771 -35.646,-22.554 ; -35.847,-29.151 -35.642,-28.945 -35.642,-27.642 ; -35.65,-24.025 -35.642,-22.564 ; -35.098,-29.243 -35.098,-27.637 ; -35.098,-24.091 -35.098,-22.61 ; -34.877,-22.324 -34.323,-21.771 ; -34.545,-27.642 -34.545,-28.773 -33.913,-29.404 ; -34.54,-23.97 -34.54,-23.205 -34.154,-22.818 ; -34.154,-22.747 -32.538,-22.747 ; -25.855,-22.77 -24.257,-22.77 ; -24.126,-22.77 -23.792,-23.103 -23.792,-24.033 ; -24.031,-21.83 -23.248,-22.613 ; -23.449,-29.066 -23.244,-28.861 -23.244,-27.558 ; -23.252,-24.084 -23.244,-22.623 ; -22.7,-29.159 -22.7,-27.553 ; -22.7,-24.15 -22.7,-22.669 ; -22.479,-22.383 -21.925,-21.83 ; -22.147,-27.558 -22.147,-28.688 -21.515,-29.32 ; -22.142,-24.029 -22.142,-23.264 -21.756,-22.877 ; -21.756,-22.806 -20.14,-22.806 ; -13.413,-22.821 -11.815,-22.821 -11.684,-22.821 -11.35,-23.154 -11.35,-24.084 -11.35,-24.08 ; -11.017,-22.307 -11.162,-22.307 -11.589,-21.881 -10.806,-22.664 ; -11.007,-29.066 -10.802,-28.861 -10.802,-27.558 ; -10.81,-24.135 -10.802,-22.674 ; -10.802,-22.72 -10.802,-22.523 ; -10.258,-29.159 -10.258,-27.553 ; -10.258,-24.202 -10.258,-22.72 ; -10.116,-22.434 -10.037,-22.434 -9.483,-21.881 ; -9.705,-27.558 -9.705,-28.688 -9.073,-29.32 ; -9.7,-24.08 -9.7,-23.315 -9.314,-22.928 ; -7.698,-22.857 -9.314,-22.857 ; -9.314,-22.928 -9.314,-22.857 ; -9.314,-22.928 -9.314,-22.857